# Altium PCB LORAGATEWAY.PcbDoc (part 2 of 2)
Units mil, origin at the board's own origin, x right, y up, seen from the top; angles counter-clockwise.
Board outline 3950 x 2560 mil, 2 copper layers (Top Layer, Bottom Layer); 59 components, 57 nets, 254 pads, 49 vias.
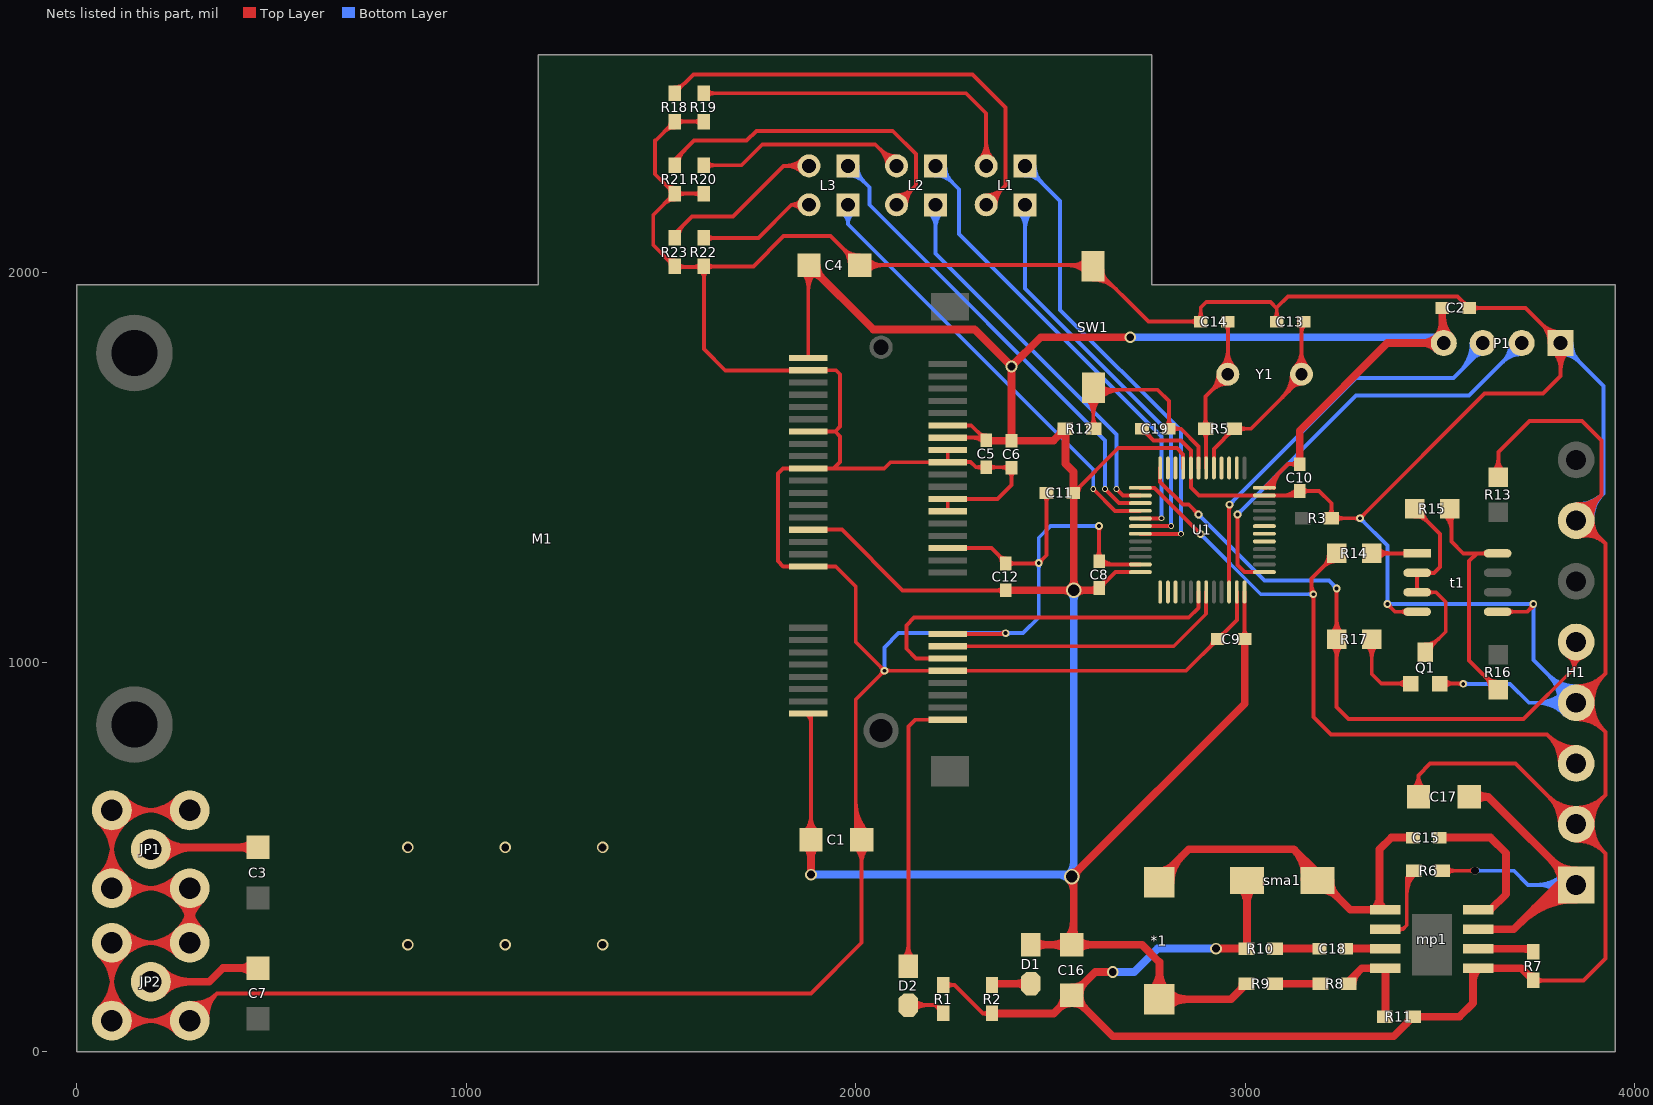
[diagram p2: the nets of this part, all layers, seen from the top]

## Via types
v1: diameter 24, hole 17.72, Top Layer to Bottom Layer, tented both sides, 15 vias
v2: diameter 20, hole 10, Top Layer to Bottom Layer, 14 vias
v3: diameter 30, hole 20, Top Layer to Bottom Layer, 11 vias
v4: diameter 15, hole 10, Top Layer to Bottom Layer, 6 vias
v5: diameter 40, hole 30, Top Layer to Bottom Layer, 2 vias
v6: diameter 20, hole 20, Top Layer to Bottom Layer, 1 vias

## Nets (pads, with @x,y where several pads share a name; then routed paths per layer and width w, separated by ;. In a path a pad name is that pad's centre, name@x,y a point inside that pad or via, vN(x,y) a via of type N, cw(c..) or ccw(c..) an arc to the next point about the centre after c; other vN are vias at no path point) (continued)
GND: C1.1 C2.1 C4.2 C5.2 C6.1 C8.1 C9.1 C10.1 C11.1 C12.2 C13.2 C14.2 C16.2 C17.1 C19.1 H1.2 H1.4 H1.7 JP1.2 JP1.3 JP2.2 JP2.3 M1.9 M1.15 M1.18 M1.21 M1.27 M1.29 M1.34 M1.35 M1.37 M1.40 M1.50 mp1.5 P1.1 Q1.2 R1.2 R2.2 R3.2 R7.1 R10.2 R11.1 R13.2 R18.2 R19.2 R20.1 R21.1 R22.1 R23.1 sma1.1 SW1.1 t1.4 t1.5 U1.8 U1.23 U1.35 U1.47 | length 34637.3
  Top Layer w10: JP2.3@57.35,112.65 ccw(c-21.49,191.49) 90,191.49 ccw(c201.49,191.49) 122.65,112.65 ccw(c201.49,191.49) 201.49,80 ccw(c201.49,-31.49) JP2.3@122.65,47.35 ; JP2.3@57.35,247.35 cw(c-21.49,168.51) 90,168.51 cw(c201.49,168.51) 122.65,247.35 cw(c201.49,168.51) 201.49,280 cw(c201.49,391.49) JP2.3@122.65,312.65 ; JP1.3@57.35,452.65 ccw(c-21.49,531.49) 90,531.49 ccw(c201.49,531.49) 122.65,452.65 ccw(c201.49,531.49) 201.49,420 ccw(c201.49,308.51) JP1.3@122.65,387.35 ; JP1.3@57.35,587.35 cw(c-21.49,508.51) 90,508.51 cw(c201.49,508.51) 122.65,587.35 cw(c201.49,508.51) 201.49,620 cw(c201.49,731.49) JP1.3@122.65,652.65 ; JP2.3@64.42,105.58 ccw(c2.65,167.35) 90,167.35 ccw(c177.35,167.35) 115.58,105.58 ccw(c177.35,167.35) 177.35,80 ccw(c177.35,-7.35) JP2.3@115.58,54.42 ; JP2.3@64.42,254.42 cw(c2.65,192.65) 90,192.65 cw(c177.35,192.65) 115.58,254.42 cw(c177.35,192.65) 177.35,280 cw(c177.35,367.35) JP2.3@115.58,305.58 ; JP1.3@64.42,445.58 ccw(c2.65,507.35) 90,507.35 ccw(c177.35,507.35) 115.58,445.58 ccw(c177.35,507.35) 177.35,420 ccw(c177.35,332.65) JP1.3@115.58,394.42 ; JP1.3@64.42,594.42 cw(c2.65,532.65) 90,532.65 cw(c177.35,532.65) 115.58,594.42 cw(c177.35,532.65) 177.35,620 cw(c177.35,707.35) JP1.3@115.58,645.58 ; JP2.3@71.49,98.51 ccw(c26.79,143.21) 90,143.21 ccw(c153.21,143.21) 108.51,98.51 ccw(c153.21,143.21) 153.21,80 ccw(c153.21,16.79) JP2.3@108.51,61.49 ; JP2.3@71.49,261.49 cw(c26.79,216.79) 90,216.79 cw(c153.21,216.79) 108.51,261.49 cw(c153.21,216.79) 153.21,280 cw(c153.21,343.21) JP2.3@108.51,298.51 ; JP1.3@71.49,438.51 ccw(c26.79,483.21) 90,483.21 ccw(c153.21,483.21) 108.51,438.51 ccw(c153.21,483.21) 153.21,420 ccw(c153.21,356.79) JP1.3@108.51,401.49 ; JP1.3@71.49,601.49 cw(c26.79,556.79) 90,556.79 cw(c153.21,556.79) 108.51,601.49 cw(c153.21,556.79) 153.21,620 cw(c153.21,683.21) JP1.3@108.51,638.51 ; JP2.2@257.35,47.35 ccw(c178.51,-31.49) 178.51,80 ccw(c178.51,191.49) JP2.2@257.35,112.65 ; JP2.2@257.35,247.35 ccw(c178.51,168.51) 178.51,280 ccw(c178.51,391.49) 257.35,312.65 ccw(c178.51,391.49) 290,391.49 ccw(c401.49,391.49) JP2.2@322.65,312.65 ; JP1.2@257.35,452.65 cw(c178.51,531.49) 178.51,420 cw(c178.51,308.51) 257.35,387.35 cw(c178.51,308.51) 290,308.51 cw(c401.49,308.51) JP1.2@322.65,387.35 ; JP1.2@257.35,587.35 ccw(c178.51,508.51) 178.51,620 ccw(c178.51,731.49) JP1.2@257.35,652.65 ; JP2.2@264.42,54.42 ccw(c202.65,-7.35) 202.65,80 ccw(c202.65,167.35) JP2.2@264.42,105.58 ; JP2.2@264.42,254.42 ccw(c202.65,192.65) 202.65,280 ccw(c202.65,367.35) 264.42,305.58 ccw(c202.65,367.35) 290,367.35 ccw(c377.35,367.35) JP2.2@315.58,305.58 ; JP1.2@264.42,445.58 cw(c202.65,507.35) 202.65,420 cw(c202.65,332.65) 264.42,394.42 cw(c202.65,332.65) 290,332.65 cw(c377.35,332.65) JP1.2@315.58,394.42 ; JP1.2@264.42,594.42 ccw(c202.65,532.65) 202.65,620 ccw(c202.65,707.35) JP1.2@264.42,645.58 ; JP1.2@268.71,379.02 cw(c257.97,358.37) 280.59,352.86 cw(c310.94,345.46) JP1.2@302.49,375.54 ; JP2.2@271.49,61.49 ccw(c226.79,16.79) 226.79,80 ccw(c226.79,143.21) JP2.2@271.49,98.51 ; JP2.2@271.49,261.49 ccw(c226.79,216.79) 226.79,280 ccw(c226.79,343.21) 271.49,298.51 ccw(c226.79,343.21) 290,343.21 ccw(c353.21,343.21) JP2.2@308.51,298.51 ; JP1.2@271.49,438.51 cw(c226.79,483.21) 226.79,420 cw(c226.79,356.79) 271.49,401.49 cw(c226.79,356.79) 290,356.79 cw(c353.21,356.79) JP1.2@308.51,401.49 ; JP1.2@271.49,601.49 ccw(c226.79,556.79) 226.79,620 ccw(c226.79,683.21) JP1.2@271.49,638.51 ; JP1.2@273.32,387.9 cw(c264.02,370.01) 283.6,365.24 ; JP1.2@277.51,375.54 cw(c269.06,345.46) 299.41,352.86 cw(c322.03,358.37) JP1.2@311.29,379.02 ; JP1.2@290,620 JP1.3@90,620 JP1.3@90,420 JP1.2@290,420 JP2.2@290,280 JP2.3@90,280 JP2.3@90,80 JP2.2@290,80 360,150 ; JP2.2@292.29,106.08 ccw(c296.41,152.96) 329.68,119.68 ccw(c362.96,86.41) JP2.2@316.08,82.29 ; JP2.2@293.17,116.04 ccw(c298.86,180.82) 344.84,134.84 ccw(c390.82,88.86) JP2.2@326.04,83.17 ; JP2.2@294.04,126 ccw(c301.3,208.69) 360,150 ; 296.4,365.24 cw(c315.98,370.01) JP1.2@306.68,387.9 ; JP2.2@336,84.04 cw(c418.69,91.3) 360,150 ; 1509.39,2042.61 ccw(c1535,2068.21) R23.1@1535,2032 ; 1509.39,2177.89 cw(c1535,2152.29) R21.1@1535,2188.5 ; 1509.39,2229.11 ccw(c1535,2254.71) R21.1@1535,2218.5 ; 1509.39,2362.89 cw(c1535,2337.29) R18.2@1535,2373.5 ; R23.1@1519.66,2032.34 cw(c1508.57,2021.25) R23.1@1524.25,2021.25 ; R21.1@1519.66,2188.16 ccw(c1508.57,2199.25) R21.1@1524.25,2199.25 ; R21.1@1519.66,2218.84 cw(c1508.57,2207.75) R21.1@1524.25,2207.75 ; R18.2@1519.66,2373.16 ccw(c1508.57,2384.25) R18.2@1524.25,2384.25 ; R23.1@1525,2015 R22.1@1600,2015 ; R23.1@1535,2017 1480,2072 1480,2148.5 R21.1@1535,2203.5 ; R23.1@1542.6,2009.4 cw(c1556.12,1995.88) 1556.12,2015 ; R23.1@1542.6,2024.6 ccw(c1565.78,2047.78) 1565.78,2015 ; R21.1@1542.6,2195.9 cw(c1560.95,2177.55) 1560.95,2203.5 cw(c1560.95,2229.45) R21.1@1542.6,2211.1 ; R18.2@1542.6,2380.9 cw(c1560.95,2362.55) 1560.95,2388.5 cw(c1560.95,2414.45) R18.2@1542.6,2396.1 ; 1579.22,2015 ccw(c1579.22,2047.78) R22.1@1602.4,2024.6 ; 1588.88,2015 cw(c1588.88,1995.88) R22.1@1602.4,2009.4 ; R22.1@1602.4,2005.15 cw(c1584.05,1986.8) 1610,1986.8 cw(c1635.95,1986.8) R22.1@1617.6,2005.15 ; R20.1@1602.4,2195.9 ccw(c1584.05,2177.55) 1584.05,2203.5 ccw(c1584.05,2229.45) R20.1@1602.4,2211.1 ; R19.2@1602.4,2380.9 ccw(c1584.05,2362.55) 1584.05,2388.5 ccw(c1584.05,2414.45) R19.2@1602.4,2396.1 ; R20.1@1610,2203.5 R21.1@1535,2203.5 ; R19.2@1610,2388.5 R18.2@1535,2388.5 1486.5,2340 1485,2340 1485,2253.5 R21.1@1535,2203.5 ; R22.1@1617.6,2009.4 cw(c1635.95,1991.05) 1635.95,2017 cw(c1635.95,2042.95) R22.1@1617.6,2024.6 ; 1927.72,1592.72 1947.28,1592.72 ; C4.2@1985,2020 ccw(c1924.65,2020) 1967.32,2062.68 ccw(c2010,2105.36) C4.2@2010,2045 ; C4.2@1995,2020 ccw(c1958.79,2020) 1984.39,2045.61 ccw(c2010,2071.22) C4.2@2010,2035 ; C1.1@1997.32,527.32 cw(c1954.64,484.64) 2015,484.64 cw(c2075.35,484.64) C1.1@2032.68,527.32 ; 2000,593.28 ccw(c2063.28,593.28) C1.1@2018.53,548.53 ; 2000,617.42 ccw(c2087.42,617.42) C1.1@2025.6,555.6 ; 2000,641.56 ccw(c2111.56,641.56) C1.1@2032.68,562.67 ; C1.1@2004.39,534.39 cw(c1978.79,508.78) 2015,508.78 cw(c2051.21,508.78) C1.1@2025.61,534.39 ; C4.2@2020.61,2009.4 cw(c2046.21,1983.79) 2046.21,2020 cw(c2046.21,2056.22) C4.2@2020.61,2030.61 ; C4.2@2027.68,2002.33 cw(c2070.36,1959.65) 2070.36,2020 cw(c2070.36,2080.36) C4.2@2027.68,2037.68 ; v2@2073.54,973.54 ccw(c2073.54,961.47) 2065.01,970.01 ccw(c2056.47,978.54) 2068.54,978.54 ccw(c2056.47,978.54) 2065.01,987.08 ccw(c2073.54,995.61) v2@2073.54,983.54 ; v2@2077.08,975.01 cw(c2085.61,966.47) 2085.61,978.54 cw(c2085.61,990.61) v2@2077.08,982.08 ; R1.2@2225,171.5 2253.5,171.5 2326.5,98.5 ; R1.2@2232.6,163.9 cw(c2250.95,145.55) 2250.95,171.5 cw(c2250.95,197.45) R1.2@2232.6,179.1 ; M1.15@2236.26,1073.03 2383.03,1073.03 v2(2385,1075) ; M1.21@2236.26,1293.5 2348.5,1293.5 2385,1257.01 C12.2@2385,1254 2469,1254 v2(2470,1255) 2490,1275 C11.1@2490,1435 ; M1.27@2236.26,1387.99 M1.29@2236.26,1419.49 2364.49,1419.49 2400,1455 C6.1@2400,1500 2399,1501 C5.2@2335,1501 2309,1501 2295,1515 2237.28,1515 M1.35@2236.26,1513.98 ; M1.37@2236.26,1545.47 M1.35@2236.26,1513.98 ; M1.35@2279.63,1511.94 cw(c2287.01,1504.57) 2287.01,1515 ; C5.2@2327.93,1493.93 ccw(c2310.86,1476.86) 2310.86,1501 ccw(c2310.86,1525.14) C5.2@2327.93,1508.07 ; R2.2@2341.87,91.47 ccw(c2326.5,78.19) 2326.5,98.5 ; R2.2@2341.87,105.53 cw(c2326.5,118.81) 2326.5,98.5 ; C5.2@2342.07,1493.93 cw(c2359.14,1476.86) 2359.14,1501 cw(c2359.14,1525.14) C5.2@2342.07,1508.07 ; R2.2@2350,98.5 2326.5,98.5 ; 2367.57,1274.44 cw(c2349.63,1256.5) C12.2@2375,1256.5 ; 2368.18,1073.03 ccw(c2368.18,1091.82) v2@2381.46,1078.54 ; 2368.8,1273.21 ccw(c2385,1289.42) C12.2@2385,1266.5 ; 2373.44,1501 cw(c2373.44,1473.44) C6.1@2392.93,1492.93 ; 2378.27,1501 ccw(c2378.27,1521.73) C6.1@2392.93,1507.07 ; C12.2@2392.07,1246.93 cw(c2409.14,1229.86) 2409.14,1254 cw(c2409.14,1278.14) C12.2@2392.07,1261.07 ; C6.1@2392.93,1490.43 cw(c2375.86,1473.36) 2400,1473.36 cw(c2424.14,1473.36) C6.1@2407.07,1490.43 ; 2455.51,1254 ccw(c2455.51,1269.49) v2@2466.46,1258.54 ; v2@2470,1260 ccw(c2470,1272.07) 2478.54,1263.54 ccw(c2487.07,1255) v2@2475,1255 ; C11.1@2482.93,1427.93 cw(c2465.86,1410.86) 2490,1410.86 cw(c2514.14,1410.86) C11.1@2497.07,1427.93 ; 2543.51,2020 cw(c2543.51,1951.61) SW1.1@2591.87,1999.97 ; 2556.49,2020 ccw(c2556.49,2070.03) SW1.1@2591.87,2034.66 ; 2567.65,2020 cw(c2567.65,1975.75) SW1.1@2598.94,2007.04 ; SW1.1@2606.52,2020 C4.2@2010,2020 1935,2095 1815,2095 1737,2017 R22.1@1610,2017 1610,1805 1665,1750 1877.8,1750 M1.50@1877.99,1750.2 1949.8,1750.2 1960,1740 1960,1605.43 1947.28,1592.72 ; SW1.1@2609.21,1982.94 cw(c2609.21,1899.97) 2667.89,1958.64 ; SW1.1@2609.21,1992.94 cw(c2609.21,1934.11) 2650.82,1975.71 ; SW1.1@2609.21,2017.31 2751.53,1875 C14.2@2886,1875 2886,1911 2900,1925 3065,1925 3081,1909 ; C8.1@2617.93,1269.57 ccw(c2600.86,1286.64) 2625,1286.64 ccw(c2649.14,1286.64) C8.1@2632.07,1269.57 ; v2@2621.46,1346.46 cw(c2612.93,1337.93) 2625,1337.93 cw(c2637.07,1337.93) v2@2628.54,1346.46 ; C8.1@2625,1257.5 ccw(c2639.68,1272.18) C8.1@2639.68,1251.42 ; v2(2625,1350) C8.1@2625,1260 2633.58,1251.42 U1.23@2730.71,1251.42 ; C8.1@2632.07,1264.57 ccw(c2663.83,1296.33) 2663.83,1251.42 ; SW1.1@2633.74,2007.47 ccw(c2669.19,2007.47) 2644.13,1982.4 ; C19.1@2735,1600 2765,1570 2835,1570 2860.47,1544.53 U1.8@2860.47,1499.29 2860.47,1449.53 2881.42,1428.58 U1.47@3049.29,1428.58 3128.58,1428.58 C10.1@3140,1440 3190,1440 3221.5,1408.5 R3.2@3221.5,1370 v2(3295,1370) 3615,1690 3765,1690 3810,1735 P1.1@3810,1820 3720,1910 C2.1@3575,1910 3545,1940 3110,1940 3081,1911 3081,1909 ; C19.1@2737.5,1590 cw(c2737.5,1571.89) 2750.3,1584.7 ; C19.1@2747.5,1600 ccw(c2777.68,1600) 2756.34,1578.66 ; C14.2@2876.43,1867.93 ccw(c2859.36,1850.86) 2859.36,1875 ccw(c2859.36,1899.14) C14.2@2876.43,1882.07 ; C14.2@2878.93,1882.07 ccw(c2861.86,1899.14) 2886,1899.14 ccw(c2910.14,1899.14) C14.2@2893.07,1882.07 ; 2908.66,1038.66 ccw(c2887.32,1060) C9.1@2917.5,1060 ; 2914.7,1044.7 cw(c2927.5,1031.89) C9.1@2927.5,1050 ; C9.1@2932.5,1070 ccw(c2932.5,1088.11) 2945.3,1075.3 ; C9.1@2942.5,1060 cw(c2972.68,1060) 2951.34,1081.34 ; U1.35@2978.58,1180.71 2978.58,1108.58 C9.1@2930,1060 2848.54,978.54 M1.9@2236.26,978.54 v2(2073.54,978.54) ; C13.2@3073.93,1882.07 ccw(c3056.86,1899.14) 3081,1899.14 ccw(c3105.14,1899.14) C13.2@3088.07,1882.07 ; C13.2@3081,1875 3081,1909 ; 3094.33,1428.58 ccw(c3094.33,1483.17) C10.1@3132.93,1444.57 ; 3118.47,1428.58 ccw(c3118.47,1459.03) C10.1@3140,1437.5 ; C10.1@3147.07,1432.93 cw(c3164.14,1415.86) 3164.14,1440 cw(c3164.14,1464.14) C10.1@3147.07,1447.07 ; R3.2@3213.9,1377.6 ccw(c3195.55,1395.95) 3221.5,1395.95 ccw(c3247.45,1395.95) R3.2@3229.1,1377.6 ; R3.2@3233.35,1362.4 cw(c3251.7,1344.05) 3251.7,1370 cw(c3251.7,1395.95) R3.2@3233.35,1377.6 ; v2@3291.46,1366.46 ccw(c3282.93,1357.93) 3282.93,1370 ccw(c3282.93,1382.07) v2@3291.46,1373.54 ; v2@3295,1375 ccw(c3295,1387.07) 3303.54,1378.54 ccw(c3312.07,1370) v2@3300,1370 ; v2@3365,1145 cw(c3365,1132.93) 3373.54,1141.46 cw(c3382.07,1150) v2@3370,1150 ; v2(3365,1150) 3385,1130 t1.4@3441.65,1130 ; t1.4@3412.93,1125.88 ccw(c3402.98,1115.93) 3402.98,1130 ccw(c3402.98,1144.07) t1.4@3412.93,1134.12 ; C17.1@3428.56,673.84 ccw(c3397.01,710) 3445,710 ; C17.1@3435.14,666.31 ccw(c3416.21,688) 3445,688 ccw(c3473.8,688) C17.1@3454.86,666.31 ; C17.1@3445,655 3445,710 ; C17.1@3461.44,673.84 cw(c3492.99,710) 3445,710 ; Q1.2@3499.88,945.63 3559.37,945.63 v2(3560,945) ; Q1.2@3510.49,935.02 cw(c3536.1,909.42) 3536.1,945.63 cw(c3536.1,981.84) Q1.2@3510.49,956.24 ; 3546.41,945.63 cw(c3546.41,931.41) v2@3556.46,941.46 ; 3549.45,945.63 ccw(c3549.45,955.55) v2@3556.46,948.54 ; 3553.66,1931.34 cw(c3532.32,1910) C2.1@3562.5,1910 ; 3559.7,1925.3 ccw(c3572.5,1938.11) C2.1@3572.5,1920 ; C2.1@3584.57,1902.93 cw(c3601.64,1885.86) 3601.64,1910 cw(c3601.64,1934.14) C2.1@3584.57,1917.07 ; R13.2@3635.86,1489.14 ccw(c3601.72,1523.28) 3650,1523.28 ccw(c3698.28,1523.28) R13.2@3664.14,1489.14 ; t1.5@3648.35,1130 3725,1130 3740,1145 v2(3740,1150) ; R13.2@3650,1475 3650,1540 3730,1620 3865,1620 3915,1570 3915,1430 ; t1.5@3677.07,1125.88 cw(c3687.02,1115.93) 3687.02,1130 cw(c3687.02,1144.07) t1.5@3677.07,1134.12 ; 3727.93,1132.93 ccw(c3710.86,1150) v2@3735,1150 ; R7.1@3740,183.5 3868.5,183.5 3925,240 3925,509.57 H1.2@3850,584.57 ; R7.1@3747.6,175.9 cw(c3765.95,157.55) 3765.95,183.5 cw(c3765.95,209.45) R7.1@3747.6,191.1 ; P1.1@3781.54,1820 ccw(c3712.82,1820) 3761.41,1868.59 ccw(c3810,1917.18) P1.1@3810,1848.46 ; P1.1@3789.87,1799.87 cw(c3741.28,1751.28) 3810,1751.28 cw(c3878.72,1751.28) P1.1@3830.13,1799.87 ; P1.1@3791.54,1820 ccw(c3746.96,1820) 3778.48,1851.52 ccw(c3810,1883.04) P1.1@3810,1838.46 ; P1.1@3796.94,1806.94 cw(c3765.42,1775.42) 3810,1775.42 cw(c3854.58,1775.42) P1.1@3823.06,1806.94 ; H1.2@3807.76,584.57 ccw(c3705.77,584.57) 3777.88,656.68 ccw(c3850,728.8) 3850,626.81 ccw(c3850,728.8) 3922.12,656.68 ccw(c3994.23,584.57) 3892.24,584.57 ccw(c3994.23,584.57) 3922.12,512.45 ccw(c3850,440.34) H1.2@3850,542.32 ; H1.2@3817.76,584.57 ccw(c3739.91,584.57) 3794.96,639.61 ccw(c3850,694.66) 3850,616.81 ccw(c3850,694.66) 3905.04,639.61 ccw(c3960.09,584.57) 3882.24,584.57 ccw(c3960.09,584.57) 3905.04,529.52 ccw(c3850,474.48) H1.2@3850,552.32 ; H1.2@3827.76,584.57 ccw(c3774.05,584.57) 3812.03,622.54 ccw(c3850,660.51) 3850,606.81 ccw(c3850,660.51) 3887.97,622.54 ccw(c3925.95,584.57) 3872.24,584.57 ccw(c3925.95,584.57) 3887.97,546.59 ccw(c3850,508.62) H1.2@3850,562.32 ; H1.4@3850,854.13 cw(c3850,752.15) 3922.12,824.26 cw(c3994.23,896.38) 3892.24,896.38 cw(c3994.23,896.38) 3922.12,968.49 cw(c3850,1040.61) H1.4@3850,938.62 ; H1.4@3850,864.13 cw(c3850,786.29) 3905.04,841.33 cw(c3960.09,896.38) 3882.24,896.38 cw(c3960.09,896.38) 3905.04,951.42 cw(c3850,1006.47) H1.4@3850,928.62 ; H1.4@3850,874.13 cw(c3850,820.43) 3887.97,858.4 cw(c3925.95,896.38) 3872.24,896.38 cw(c3925.95,896.38) 3887.97,934.35 cw(c3850,972.32) H1.4@3850,918.62 ; H1.7@3851.32,1386.3 ccw(c3853.82,1428.25) 3883.53,1398.53 ; H1.7@3851.92,1396.28 ccw(c3855.59,1457.94) 3899.27,1414.27 ; H1.7@3852.51,1406.26 ccw(c3857.35,1487.64) 3915,1430 ; H1.7@3855.33,1342.5 cw(c3866.61,1296.76) 3899.93,1330.07 ; H1.7@3857.72,1332.79 cw(c3871.58,1276.65) 3912.46,1317.54 ; H1.7@3860.12,1323.08 cw(c3876.54,1256.54) 3925,1305 ; H1.7@3872.17,1365.92 cw(c3914.53,1369.42) 3884.47,1399.47 ; H1.7@3882.13,1366.75 cw(c3942.72,1371.75) 3899.74,1414.73 ; H1.7@3882.24,1364.09 ccw(c3921.69,1364.09) 3893.8,1336.2 ; H1.7@3892.1,1367.57 cw(c3970.92,1374.07) 3915,1430 ; H1.7@3892.24,1364.09 ccw(c3955.83,1364.09) 3910.87,1319.13 ; 360,150 1885,150 2015,280 C1.1@2015,545 2000,560 2000,905 v2(2073.54,978.54) ; 1943.23,1498.23 2073.23,1498.23 2088.98,1513.98 M1.35@2236.26,1513.98 ; 1943.23,1498.23 M1.34@1877.99,1498.23 1813.23,1498.23 1800,1485 1800,1260 1813.74,1246.26 M1.18@1877.99,1246.26 1948.74,1246.26 2000,1195 2000,1052.09 v2(2073.54,978.54) ; 1943.23,1498.23 1960,1515 1960,1580 1947.28,1592.72 ; 3445,710 3475,740 3694.57,740 H1.2@3850,584.57 ; H1.2@3850,584.57 3925,659.57 3925,821.38 H1.4@3850,896.38 3925,971.38 3925,1305 ; 3915,1430 3850,1365 H1.7@3850,1364.09 3865.91,1364.09 3925,1305
  Top Layer w20: R2.2@2350,98.5 2508.5,98.5 C16.2@2555,145 ; C16.2@2535,145 cw(c2486.72,145) 2520.86,110.86 cw(c2555,76.71) 2555,125 cw(c2555,76.71) 2589.15,110.86 cw(c2623.29,145) 2575,145 cw(c2623.29,145) 2589.15,179.14 cw(c2555,213.28) C16.2@2555,165 ; v3(2660,205) 2615,205 C16.2@2555,145 ; v3(2925,265) R10.2@3003.5,265 3004.45,265.95 sma1.1@3004.45,440 ; sma1.1@2987.16,422.71 cw(c2945.42,380.98) 3004.45,380.98 cw(c3063.47,380.98) sma1.1@3021.74,422.71 ; R10.2@2999.44,269.06 ccw(c2987.33,281.17) 3004.45,281.17 ; 3414.43,72.93 ccw(c3397.36,90) R11.1@3421.5,90 ; 3585,178.66 cw(c3634.13,178.66) mp1.5@3599.39,213.4 ; 3585,196.15 cw(c3602.17,196.15) mp1.5@3598.5,212.92 ; 3722.93,200.57 ccw(c3740,217.64) R7.1@3740,193.5 ; R7.1@3740,183.5 3708.81,214.68 mp1.5@3598.11,214.68 3585,201.58 3585,125 3550,90 R11.1@3431.5,90 3381.5,40 2660,40 C16.2@2555,145
  Bottom Layer w10: v2@2070.01,982.08 ccw(c2061.47,990.61) 2073.54,990.61 ccw(c2085.61,990.61) v2@2077.08,982.08 ; v2(2073.54,978.54) 2073.54,1038.54 2110,1075 v2(2385,1075) 2430,1075 2470,1115 v2(2470,1255) 2470,1320 2500,1350 v2(2625,1350) ; v2@2381.46,1071.46 ccw(c2372.93,1062.93) 2372.93,1075 ccw(c2372.93,1087.07) v2@2381.46,1078.54 ; v2@2388.54,1071.46 cw(c2397.07,1062.93) 2397.07,1075 cw(c2397.07,1087.07) v2@2388.54,1078.54 ; v2@2466.46,1251.46 cw(c2457.93,1242.93) 2470,1242.93 cw(c2482.07,1242.93) v2@2473.54,1251.46 ; v2@2466.46,1258.54 ccw(c2457.93,1267.07) 2470,1267.07 ccw(c2482.07,1267.07) v2@2473.54,1258.54 ; v2@2621.46,1346.46 ccw(c2612.93,1337.93) 2612.93,1350 ccw(c2612.93,1362.07) v2@2621.46,1353.54 ; v2@3295,1365 cw(c3295,1352.93) 3303.54,1361.46 cw(c3312.07,1370) v2@3300,1370 ; v2(3295,1370) 3365,1300 v2(3365,1150) v2(3740,1150) 3740,1006.38 H1.4@3850,896.38 3728.62,896.38 3680,945 v2(3560,945) ; v2@3361.46,1153.54 ccw(c3352.93,1162.07) 3365,1162.07 ccw(c3377.07,1162.07) 3368.54,1153.54 ccw(c3377.07,1162.07) 3377.07,1150 ccw(c3377.07,1137.93) v2@3368.54,1146.46 ; v2@3563.54,941.46 cw(c3572.07,932.93) 3572.07,945 cw(c3572.07,957.07) v2@3563.54,948.54 ; v2@3736.46,1153.54 cw(c3727.93,1162.07) 3727.93,1150 cw(c3727.93,1137.93) 3736.46,1146.46 cw(c3727.93,1137.93) 3740,1137.93 cw(c3752.07,1137.93) v2@3743.54,1146.46 ; H1.4@3807.76,896.38 ccw(c3705.77,896.38) 3777.88,968.49 ccw(c3850,1040.61) H1.4@3850,938.62 ; P1.1@3810,1791.54 cw(c3810,1722.82) 3858.59,1771.41 cw(c3907.18,1820) P1.1@3838.46,1820 ; P1.1@3810,1801.54 cw(c3810,1756.96) 3841.52,1788.48 cw(c3873.04,1820) P1.1@3828.46,1820 ; P1.1@3810,1820 3920,1710 3920,1434.09 ; H1.4@3817.76,896.38 ccw(c3739.91,896.38) 3794.96,951.42 ccw(c3850,1006.47) H1.4@3850,928.62 ; H1.4@3820.13,866.51 ccw(c3748.01,794.39) 3748.01,896.38 ccw(c3748.01,998.36) H1.4@3820.13,926.25 ; H1.4@3827.2,873.58 ccw(c3772.16,818.53) 3772.16,896.38 ccw(c3772.16,974.22) H1.4@3827.2,919.18 ; H1.4@3827.76,896.38 ccw(c3774.05,896.38) 3812.03,934.35 ccw(c3850,972.32) H1.4@3850,918.62 ; H1.4@3834.27,880.65 ccw(c3796.3,842.68) 3796.3,896.38 ccw(c3796.3,950.08) H1.4@3834.27,912.11 ; H1.7@3850,1364.09 3920,1434.09 ; H1.7@3850.47,1386.33 ccw(c3851.54,1436.27) 3886.86,1400.95 ccw(c3922.18,1365.63) H1.7@3872.24,1364.57 ; H1.7@3850.69,1396.33 ccw(c3852.23,1468.72) 3903.43,1417.52 ccw(c3954.62,1366.32) H1.7@3882.24,1364.78 ; H1.7@3850.9,1406.33 ccw(c3852.92,1501.17) 3920,1434.09 ; H1.7@3892.23,1364.99 cw(c3987.07,1367.02) 3920,1434.09
  Bottom Layer w20: v3(2660,205) 2715,205 2775,265 v3(2925,265)
  other v3: 850,275 1100,275 1350,275 850,525 1100,525 1350,525